# Altium PCB NFC-Reader.PcbDoc (part 3 of 3)
Units mil, origin at the board's own origin, x right, y up, seen from the top; angles counter-clockwise.
Board outline 3750 x 2300 mil, 4 copper layers (L1, L2 (GND), L3(PWR), L4), stack 61.583 mil thick; 132 components, 82 nets, 420 pads, 665 vias.
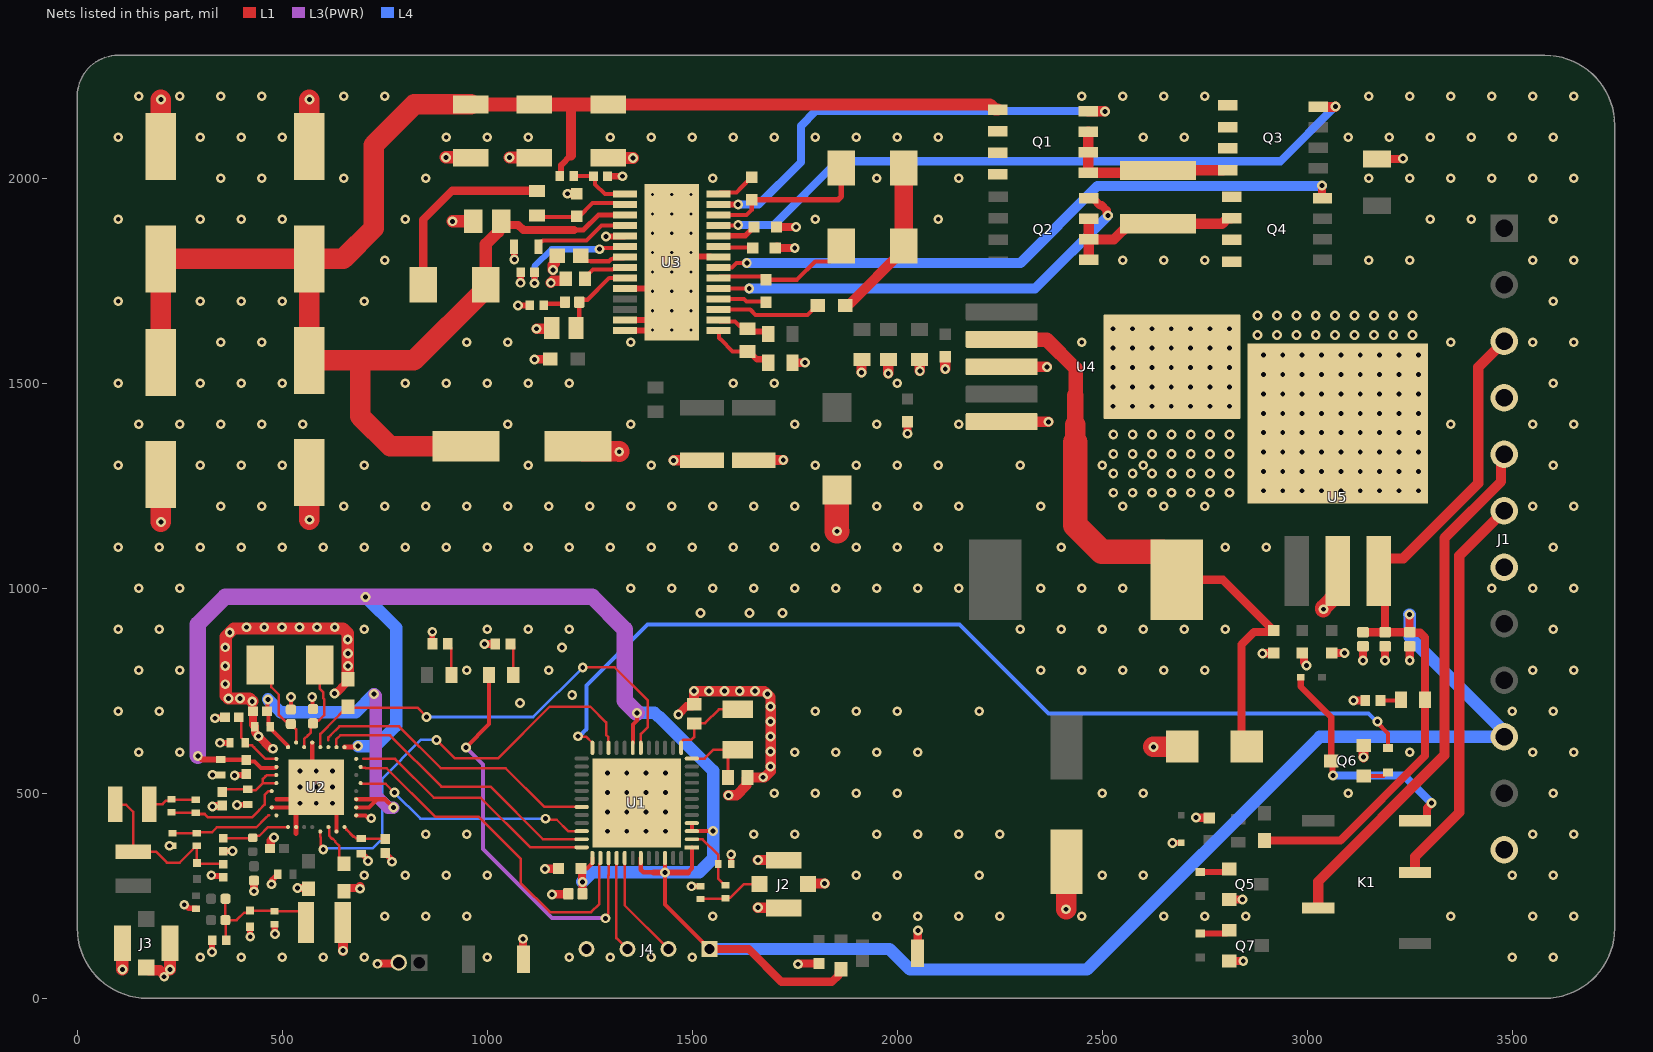
[diagram p5: the nets of this part, all layers, seen from the top]

## Via types
v1: diameter 24, hole 12, L1 to L4, tented both sides, 641 vias
v2: diameter 19.68, hole 7.87, L1 to L4, tented both sides, 24 vias

## Nets (pads, with @x,y where several pads share a name; then routed paths per layer and width w, separated by ;. In a path a pad name is that pad's centre, name@x,y a point inside that pad or via, vN(x,y) a via of type N, cw(c..) or ccw(c..) an arc to the next point about the centre after c; other vN are vias at no path point) (continued)
GND: C1.1 C2.1 C3.1 C4.1 C5.1 C6.1 C7.1 C8.1 C9.1 C10.1 C11.1 C12.1 C13.1 C14.1 C16.1 C18.1 C20.1 C22.1 C23.1 C24.1 C25.1 C26.1 C27.1 C28.1 C29.1 C30.1 C31.1 C32.2 C33.1 C34.1 C35.1 C36.2 C38.1 C39.1 C44.1 C45.2 C48.1 C50.1 C51.1 C52.1 C53.1 C54.1 C55.1 C56.1 C57.1 C58.1 C59.1 C60.1 C61.1 C62.1 C63.1 C64.1 C65.1 C66.1 C67.1 C68.1 C69.1 C70.1 D1.1 D2.1 D3.1 D7.2 D9.2 J1.4 J1.7 J1.12 J2.2 J2.3 J2.4 J3.2 J3.3 J3.4 J4.4 J5.2 L4.1 Q5.2 Q6.2 Q7.2 R5.1 R6.1 R10.1 R11.1 R13.1 R14.1 R15.2 R16.2 R18.1 R19.1 R20.1 R21.1 SW1.1 SW2.2 U1.49 U2.7 U2.10 U2.15 U2.17 U2.29 U2.33 U3.5 U3.10 U3.13 U3.14 U3.22 U3.29 U4.3 U4.5 U4.6 U5.2 U5.4 | length 6224.7
  L1 w10: U2.7@474.34,465.73 U2.33@533.79,465.73 ; 485.56,485.42 533.79,485.42 v1(543.63,475.57) ; C66.1@521,704.03 v1(521,734.53) ; v1(573,735) 574,734 574,706.5 C67.1@575,705.5 ; U2.29@573.16,623.6 U2.33@573.16,564.16 ; v1(583,514.94) v1(583,554.31) ; v1(622.37,475.57) 631.86,466.08 631.86,407.03 U2.15@632.21,406.68 ; U2.17@680.44,446.05 702.95,446.05 v1@717,432 ; U2.33@573.16,564.16 v1(583,554.31) ; U2.33@573.16,564.16 v1(583,554.31)
  L1 w13: 533.65,401.94 533.65,417.29 533.79,417.43 U2.10@533.79,417.5 533.65,417.64 U2.33@533.65,450.17
  L1 w13.7: v1@1065.78,1805.22 v1@1066,1805
  L1 w13.8: v1@2670,379 v1(2671,379) 2671.27,379.27 2692.73,379.27 D9.2@2693,379.54
  L1 w13.9: v1(261,228) 263.73,228 272.08,219.65 288.44,219.65 C53.1@289.37,218.72 ; v1@1498.7,273.3 1520.07,273.3 C39.1@1520.38,273.61 ; v1(1595,351) 1595.11,350.89 1595.11,327.97 C38.1@1595.22,327.86
  L1 w14: v1(330,545) 330.11,544.89 349.6,544.89 C62.1@349.72,544.77 ; v1(390,471) 390.74,471.74 415.45,471.74 C56.1@416.19,472.47 ; U2.33@533.65,450.17 U2.33@533.65,465.59 ; v1(866,894) 866.15,893.85 866.15,865.15 D1.1@866.3,865
  L1 w15: v1(327,300) 329.44,300 331.23,298.21 352.98,298.21 C50.1@355.72,295.47 ; v1(329,113) v1(329,113) 329.04,141.43 R18.1@329.09,141.47 ; v1(336,683) 337.24,684.24 358.94,684.24 C61.1@360.17,685.47 ; v1(348,623) C60.1@372.52,622.98 ; C48.1@355.72,358.72 358.31,358.72 358.45,358.86 378.86,358.86 v1(379,359) ; v1(384,543) 385.72,544.72 409.5,544.72 C63.1@412.17,547.39 ; C45.2@421.02,174.47 421.51,173.98 421.51,150.49 v1(422,150) ; v1(474,278) 475.72,279.72 475.72,288.41 488.83,301.52 C65.1@488.83,302.47 ; C44.1@481.51,180.72 481.76,180.48 481.76,157.24 v1(482,157) ; C58.1@692.29,352.23 695.24,352.23 709.28,338.19 v1(709.28,334.72) ; C59.1@751.09,354.6 751.09,353.76 766.28,338.57 766.28,334.72 v1(768,333) ; R13.1@1065.55,1832.98 1065.78,1832.76 v1@1065.78,1805.22 ; v1(1075,1690) R16.2@1103.57,1690 ; v1(1081,1745) 1081.7,1745.7 R14.1@1081.7,1769.17 ; v1@1290,1855 1292.44,1855 1295.05,1857.62 1334.47,1857.62 U3.5@1335.83,1858.98 ; R11.1@1293.42,2005 v1(1330,2005) ; U3.14@1335.83,1628.66 1401.77,1628.66 v2(1402.76,1629.65) ; U3.13@1335.83,1654.25 1390.57,1654.25 1402.76,1666.44 v2(1402.76,1676.89) ; U3.10@1335.83,1731.02 1395.87,1731.02 v2(1402.76,1724.13) ; U3.29@1450,1795 1464,1809 U3.22@1544,1809
  L1 w20: v1(330,468) 330.77,468.77 352.86,468.77 C57.1@353.7,469.6 ; v1(426.77,724.23) 427.53,723.47 427.53,701.27 C55.1@428.84,700 ; C55.1@428.84,700 428.84,666.84 433.01,662.67 C54.1@433.01,662 ; v1(431,261) 431.07,261.07 431.07,286.9 C52.1@431.14,286.97 ; C54.1@433.62,660.19 433.62,648.55 441.23,640.94 441.23,640.81 v1@442,640.04 ; v1(442,639) 471.67,609.33 476.88,609.33 v1(477.65,608.56) ; C64.1@470.06,364.96 470.42,364.96 471.69,366.23 471.69,384.52 479.17,392 v1(480,392) ; v1@537.38,269.62 538.15,268.85 562.25,268.85 R19.1@564.09,267.01 ; v1(627.5,742.98) 628.58,742.98 631.36,745.76 633.58,745.76 645.3,757.47 645.3,758.5 654.25,767.45 654.25,772.18 R20.1@660,777.93 ; R21.1@650.09,261.01 650.09,262.98 655.84,268.72 684.64,268.72 688.92,273 v1@690,273 ; v1(732,84) 732.77,84.77 781.77,84.77 J5.2@784,87 ; v1(993,864) D2.1@1019.3,864 ; v1(1087,145) 1087.46,144.54 1087.46,95.46 SW2.2@1087.93,95 ; v1(1115,1558) 1115.5,1558.5 1153.04,1558.5 R5.1@1153.54,1559 ; v1(1141,315) 1141.66,315.66 1173.1,315.66 C35.1@1173.77,316.33 ; v1(1158,253) 1158.77,253.77 1196.69,253.77 C34.1@1197.76,254.84 ; v1(1195.77,1962.23) 1216.32,1962.23 C16.1@1218,1960.56 ; v1(1466.03,692.3) 1485.97,712.24 1499.56,712.24 C70.1@1504.33,717.01 ; C20.1@1705.56,1881 v1(1753,1881) ; C14.1@1706.34,1833.59 C14.1@1702.56,1829.81 v1(1750,1829.81) ; R15.2@1744.53,1547 1747.76,1550.23 v1(1775.23,1550.23) ; v1@1758,84 1758.44,84.44 1808.56,84.44 C36.2@1809,84.88 ; v1(2025,1377) C31.1@2025,1406.44 ; SW1.1@2049.43,110.24 2050.23,111.05 2050.23,164.23 v1(2051,165) ; v1(2729,441) 2729.72,440.28 2760.28,440.28 C68.1@2761,439.56 ; Q5.2@2809.63,240.73 2809.76,240.87 2841.87,240.87 v1(2842,241) ; Q7.2@2810.29,91.03 v1(2844,91) ; v1(2891,841) 2891.42,841.42 2917.58,841.42 C25.1@2918,841.84 ; C32.2@2988,841.84 2991.78,838.06 2991.78,819.3 2998,813.08 v1(2998,812) ; C33.1@3060,841.84 3060.08,841.92 3090.92,841.92 v1(3091,842) ; v1(3113,726) D3.1@3141.3,726 ; v1(3135.99,824) C29.1@3135.99,858.33 ; R6.1@3170,2046.89 3230.72,2046.89 3232.28,2048.44 v1(3233.36,2048.44) ; v1(3190.01,824) C28.1@3190,858.33 ; v1(3250.01,824) C27.1@3250,858.33
  L1 w25: J3.3@168.09,75.42 175.28,68.23 201.27,68.23 v1@212,57.5 ; v1(648,116) 648,184.4 L4.1@648.07,184.47 ; v1(1120,1633) 1152.6,1633 C22.1@1157.47,1637.87 ; v1(1155,1745) 1159.78,1749.78 1189.11,1749.78 1191.38,1752.05 C18.1@1191.38,1755 ; v1(1160,1776) 1160,1787.92 1164.64,1792.56 1164.64,1805.48 1170.09,1810.94 C23.1@1171,1810.94 ; v1(1454,1312) 1523.36,1312 C13.1@1523.99,1312.63 ; C70.1@1504.33,717.01 1504,717.33 v1(1504,749) v1(1541.25,749) v1(1578.5,749) v1(1615.75,749) v1(1653,749) 1676.36,749 1691,734.36 v1@1691,711.42 ; v1(1588,495) 1608.12,495 1632.18,519.07 1632.18,536.12 C69.1@1634.45,538.39 1672.39,538.39 v1(1673,539) 1676.36,539 1691.28,553.92 v1@1691.28,711.42 ; C12.1@1649.98,1312.63 1650.35,1313 v1(1722,1313) ; v1(1660,221) 1722.57,221 J2.4@1723.19,220.38 ; v1(1660,337.14) 1722.57,337.14 J2.2@1723.19,336.52 ; J2.3@1782.24,278.45 1783.79,280 v1(1823,280) ; v1(1913,1526) 1913,1557.08 C11.1@1914.08,1558.17 ; v1(1978,1524) 1978,1557.11 C10.1@1979.05,1558.17 ; C9.1@2054,1558.17 2055,1557.17 v1(2055,1530) ; v1(2117,1535) C30.1@2117,1564.44 ; U4.5@2254.65,1406.39 2368.61,1406.39 v1(2369,1406) ; U4.3@2254.65,1540.25 2254.89,1540 v1(2365,1540) ; v1(3137,588) 3137,616.03 Q6.2@3137.37,616.4
  L1 w30: v1(110,70) J3.4@110,134.45 ; v1(226.14,70) J3.2@226.14,134.45 ; v1(368.5,731.5) 362,738 362,882 v1(372,892) 382,902 648,902 660,890 v1(660,841) v1@660,811.08 ; v1@369,731 420,731 v1(426.77,724.23) ; R20.1@660,777.93 v1(660,810) ; v1(899,2051) 959.04,2051 C6.1@960,2050.04 ; v1(915,1895) R10.1@965.55,1895 ; v1(1054.48,2050.52) 1114.52,2050.52 C7.1@1115,2050.04 C7.1@1115.48,2049.56 ; C8.1@1294.52,2050.52 C8.1@1295,2050.04 1295.48,2049.56 v1(1355.52,2049.56)
  L1 w40: v1(3039.37,948.82) 3039.37,952.37 3074,987 U5.2@3074,1042
  L1 w50: C1.1@202.96,2075.9 C1.1@203.96,2076.9 ; v1(203.96,1162) C3.1@203.96,1277 C3.1@204.96,1278 ; v1(203.96,2191.9) C1.1@203.96,2076.9 ; C1.1@216.36,2089.3 C1.1@203.96,2076.9 ; C2.1@565.17,2075.9 C2.1@566.17,2076.9 ; v1(566.17,1167) C5.1@566.17,1282 C5.1@567.17,1283 ; v1(566.17,2191.9) C2.1@566.17,2076.9 ; C2.1@572,2082.73 C2.1@566.17,2076.9 ; C4.1@1221.81,1346 1234.21,1333.6 1321.4,1333.6 v1(1322,1333) ; v1(2412,217) 2412,332.24 C26.1@2413,333.24 ; v1(2625,613) 2694.26,613 D7.2@2695.26,614
  L1 w60: v1@1852.75,1139 v1@1852.75,1139.25 ; C24.1@1852.75,1239.61 v1@1852.75,1139.25 ; v1(1853,1139) v1@1852.75,1139.25
  other v1: 212,52.5 1758,83 300,100 400,100 500,100 600,100 700,100 1000,100 1200,100 1300,100 1400,100 1500,100 3500,100 3600,100 750,200 850,200 950,200 1550,200 1950,200 2050,200 2150,200 2250,200 2450,200 2650,200 2750,200 2850,200 3350,200 3550,200 3650,200 690,267 537.38,268.62 1498,273 700,300 800,300 900,300 1000,300 1900,300 2000,300 2200,300 2500,300 2600,300 3500,300 3600,300 225,372 850,400 950,400 1650,400 1750,400 1950,400 2050,400 2150,400 2250,400 3550,400 3650,400 1293,407.27 1340.24,407.27 1387.49,407.27 1434.73,407.27 717,439 1293,454.51 1340.24,454.51 1387.49,454.51 1434.73,454.51 583,475.57 1700,500 1800,500 1900,500 2000,500 2500,500 2600,500 3100,500 3600,500 1293,501.76 1340.24,501.76 1387.49,501.76 1434.73,501.76 543.63,514.94 622.37,514.94 1293,549 1340.24,549 1387.49,549 1434.73,549 543.63,554.31 622.37,554.31 1690.56,565 150,600 250,600 1750,600 1850,600 1950,600 2050,600 3250,600 3550,600 3650,600 1690.56,601.6 1690.56,638.21 1690.56,674.81 100,700 200,700 1800,700 1900,700 2000,700 2200,700 3500,700 3600,700 1690.56,711.42 1080,720 396.96,731 1207.16,739.36 1683.68,741.68 361,766 150,800 250,800 950,800 1150,800 2350,800 2450,800 2550,800 2650,800 2750,800 3550,800 3650,800 361,810 1182.11,855.29 361,856 659.68,875.27 100,900 200,900 700,900 1000,900 1100,900 1200,900 2300,900 2400,900 2500,900 2600,900 2700,900 2800,900 3600,900 413,904.86 455.99,904.86 498.99,904.86 541.98,904.86 584.98,904.86 627.97,904.86 1520,940 1640,940 1720,940 150,1000 250,1000 1350,1000 1450,1000 1550,1000 1650,1000 1750,1000 1850,1000 1950,1000 2050,1000 2150,1000 2350,1000 2450,1000 2550,1000 3450,1000 3550,1000 3650,1000 100,1100 200,1100 300,1100 400,1100 500,1100 600,1100 700,1100 800,1100 900,1100 1000,1100 1100,1100 1200,1100 1300,1100 1400,1100 1500,1100 1600,1100 1700,1100 1800,1100 1900,1100 2000,1100 2100,1100 2400,1100 2800,1100 2900,1100 3600,1100 350,1200 450,1200 650,1200 750,1200 850,1200 950,1200 1050,1200 1150,1200 1250,1200 1350,1200 1450,1200 1550,1200 1650,1200 1750,1200 1950,1200 2050,1200 2150,1200 2350,1200 2550,1200 2650,1200 2750,1200 3550,1200 3650,1200 2527,1233 2574.24,1233 2621.49,1233 2668.73,1233 2715.98,1233 2763.22,1233 2810.47,1233 2892.99,1237.75 2940.24,1237.75 2987.49,1237.75 3034.72,1237.75 3081.97,1237.75 3129.21,1237.75 3176.46,1237.75 3223.71,1237.75 3270.95,1237.75 2527,1280.24 2574.24,1280.24 2621.49,1280.24 2668.73,1280.24 2715.98,1280.24 2763.22,1280.24 2810.47,1280.24 2892.99,1284.99 2940.24,1284.99 2987.49,1284.99 3034.72,1284.99 3081.97,1284.99 3129.21,1284.99 3176.46,1284.99 3223.71,1284.99 3270.95,1284.99 100,1300 300,1300 400,1300 500,1300 700,1300 1100,1300 1400,1300 1800,1300 1900,1300 2000,1300 2100,1300 2300,1300 2500,1300 2600,1300 3600,1300 2527,1327.49 2574.24,1327.49 2621.49,1327.49 2668.73,1327.49 2715.98,1327.49 2763.22,1327.49 2810.47,1327.49 2892.99,1332.24 2940.24,1332.24 2987.49,1332.24 3034.72,1332.24 3081.97,1332.24 3129.21,1332.24 3176.46,1332.24 3223.71,1332.24 3270.95,1332.24 2527,1374.73 2574.24,1374.73 2621.49,1374.73 2668.73,1374.73 2715.98,1374.73 2763.22,1374.73 2810.47,1374.73 2892.99,1379.48 2940.24,1379.48 2987.49,1379.48 3034.72,1379.48 3081.97,1379.48 3129.21,1379.48 3176.46,1379.48 3223.71,1379.48 3270.95,1379.48 150,1400 250,1400 350,1400 450,1400 550,1400 1050,1400 1350,1400 1750,1400 1950,1400 2150,1400 3350,1400 3550,1400 3650,1400 2892.99,1426.72 2940.24,1426.72 2987.49,1426.72 3034.72,1426.72 3081.97,1426.72 3129.21,1426.72 3176.46,1426.72 3223.71,1426.72 3270.95,1426.72 2526.63,1443.9 2573.87,1443.9 2621.12,1443.9 2668.36,1443.9 2715.61,1443.9 2762.85,1443.9 2810.1,1443.9 2892.99,1473.97 2940.24,1473.97 2987.49,1473.97 3034.72,1473.97 3081.97,1473.97 3129.21,1473.97 3176.46,1473.97 3223.71,1473.97 3270.95,1473.97 2526.63,1491.14 2573.87,1491.14 2621.12,1491.14 2668.36,1491.14 2715.61,1491.14 2762.85,1491.14 2810.1,1491.14 100,1500 300,1500 400,1500 500,1500 800,1500 900,1500 1000,1500 1100,1500 1200,1500 1600,1500 1700,1500 2000,1500 3600,1500 2892.99,1521.21 2940.24,1521.21 2987.49,1521.21 3034.72,1521.21 3081.97,1521.21 3129.21,1521.21 3176.46,1521.21 3223.71,1521.21 3270.95,1521.21 2526.63,1538.39 2573.87,1538.39 2621.12,1538.39 2668.36,1538.39 2715.61,1538.39 2762.85,1538.39 2810.1,1538.39 2892.99,1568.46 2940.24,1568.46 2987.49,1568.46 3034.72,1568.46 3081.97,1568.46 3129.21,1568.46 3176.46,1568.46 3223.71,1568.46 3270.95,1568.46 2526.63,1585.63 2573.87,1585.63 2621.12,1585.63 2668.36,1585.63 2715.61,1585.63 2762.85,1585.63 2810.1,1585.63 350,1600 450,1600 950,1600 1050,1600 1350,1600 2450,1600 3350,1600 3550,1600 3650,1600 2879,1617.76 2926.24,1617.76 2973.49,1617.76 3020.73,1617.76 3067.98,1617.76 3115.22,1617.76 3162.47,1617.76 3209.71,1617.76 3256.96,1617.76 2526.63,1632.87 2573.87,1632.87 2621.12,1632.87 2668.36,1632.87 2715.61,1632.87 2762.85,1632.87 2810.1,1632.87 2879,1665 2926.24,1665 2973.49,1665 3020.73,1665 3067.98,1665 3115.22,1665 3162.47,1665 3209.71,1665 3256.96,1665 100,1700 300,1700 400,1700 500,1700 700,1700 3600,1700 750,1800 2550,1800 2650,1800 2750,1800 3150,1800 3250,1800 3550,1800 3650,1800 1066,1802 1290,1858 100,1900 300,1900 400,1900 500,1900 800,1900 1800,1900 2100,1900 3300,1900 3400,1900 3600,1900 350,2000 450,2000 650,2000 850,2000 1550,2000 1950,2000 2150,2000 3150,2000 3250,2000 3350,2000 3450,2000 3550,2000 3650,2000 100,2100 300,2100 400,2100 500,2100 900,2100 1000,2100 1100,2100 1300,2100 1400,2100 1500,2100 1600,2100 1700,2100 1800,2100 1900,2100 2000,2100 2100,2100 2600,2100 2700,2100 3100,2100 3200,2100 3300,2100 3400,2100 3500,2100 3600,2100 150,2200 250,2200 350,2200 450,2200 650,2200 750,2200 2450,2200 2550,2200 2650,2200 2750,2200 3150,2200 3250,2200 3350,2200 3450,2200 3550,2200 3650,2200
  other v2: 1450,1629.65 1497.24,1629.65 1450,1676.89 1497.24,1676.89 1450,1724.13 1497.24,1724.13 1402.76,1771.38 1450,1771.38 1497.24,1771.38 1402.76,1818.62 1450,1818.62 1497.24,1818.62 1402.76,1865.87 1450,1865.87 1497.24,1865.87 1402.76,1913.11 1450,1913.11 1497.24,1913.11 1402.76,1960.35 1450,1960.35 1497.24,1960.35
HDRV1: Q1.4 U3.27 | length 1131.1
  L1 w15: U3.27@1564.17,1935.75 1564.3,1935.87 1611.87,1935.87 v1(1612,1936)
  L1 w25: Q1.4@2466,2163.5 2506.5,2163.5 v1(2507,2163)
  L4 w20: v1(1612,1936) 1620.55,1936 1662,1936 1765,2039 1765,2128 1801,2164 2503.17,2164 2503.41,2163.77 2506.23,2163.77 v1(2507,2163)
HDRV2: Q2.4 U3.19 | length 1093.4
  L1 w10: U3.19@1564.17,1731.02 v1(1638.98,1731.02)
  L1 w20: Q2.4@2467.22,1950.89 2478.05,1950.89 2494.98,1933.95 2498.86,1933.95 2510.84,1921.97 2510.84,1913.24 2514,1910.08 v1(2514,1909)
  L4 w25: v1(1638.98,1731.02) 2336.02,1731.02 v1(2514,1909)
LDRV1: Q3.4 U3.25 | length 1659.3
  L1 w10: U3.25@1564.17,1884.57 1603.57,1884.57 v1@1604,1885
  L1 w25: Q3.4@3027.22,2174 3068,2174 v1(3069,2175)
  L4 w20: v1(1612,1886) 1699,1886 1854.5,2041.5 2934.5,2041.5 v1@3069,2176
LDRV2: Q4.4 U3.21 | length 1585.9
  L1 w10: U3.21@1564.17,1782.2 1597.24,1782.2 1608.07,1793.03 v1(1633.03,1793.03) ; Q4.4@3036,1952.11 Q4.4@3037.22,1950.89
  L1 w20: Q4.4@3036,1952.11 v1(3036,1982)
  L4 w25: v1(1633.03,1793.03) 2300.03,1793.03 2488.36,1981.36 v1@3036,1981.36
LNA_IN: C37.2 C38.2 U1.2 | length 163.1
  L1 w6.16: U1.2@1499.05,387.83 1499.27,387.6 1525.4,387.6 1563.73,349.27 C38.2@1563.73,327.86 1563.73,291.1 1579.47,275.36 C37.2@1581.44,275.36
MOD: R21.2 U2.14 | length 106.1
  L1 w6.16: U2.14@612.53,417.5 614.7,415.33 614.7,395.8 620.5,390 621.73,388.77 623.4,388.77 629.26,382.91 629.26,381.24 639.35,371.15 639.35,338.69 R21.2@650.09,327.94
MOTOR_COM: J1.5 K1.3 | length 1294.6
  L1 w25: K1.3@3026.65,220.01 3026.65,284.7 3334.65,592.69 3334.65,1122.29 3472.86,1260.5 3472.86,1319.15 J1.5@3480.4,1326.69
MOTOR_SUPPLY: J1.6 K1.7 | length 972.4
  L1 w25: K1.7@3262.87,306.62 3262.87,344.87 3371,453 3371,1079.49 J1.6@3480.4,1188.9
NetC14_2: C14.2 U3.23 | length 84.7
  L1 w10: U3.23@1564.17,1833.39 1565.96,1831.6 1620.55,1831.6 1645.65,1831.6 C14.2@1647.44,1829.81
NetC15_2: C15.2 D5.1 U3.26 | length 402.2
  L1 w10: U3.26@1564.17,1910.16 1620.55,1910.16 1632.16,1910.16 1645,1923 C15.2@1645,1947.44
  L1 w13.7: C15.2@1645,1947.44 1855.72,1947.44 1863.75,1955.47 D5.1@1863.75,2025
NetC16_2: C16.2 R7.1 U3.2 | length 234.2
  L1 w10: R7.1@1121,1909.47 1125,1905.47 1216.03,1905.47 C16.2@1218,1907.44 1220.5,1904.94 1222.5,1904.94 1257.02,1939.46 1299.24,1939.46 1332.12,1939.46 U3.2@1335.83,1935.75
NetC17_2: C17.2 D6.1 U3.20 | length 348
  L1 w10: U3.20@1564.17,1756.61 1567.91,1760.35 1671.22,1760.35 1672.07,1759.51 1672.07,1752.56 C17.2@1680,1752.56 1755.56,1752.56 1800,1797 1835,1797 1863.75,1825.75 D6.1@1863.75,1835
NetC18_2: C18.2 U3.8 | length 110.2
  L1 w10: C18.2@1238.62,1755 1238.62,1757.95 1258.14,1777.47 1299.24,1777.47 1305.44,1777.47 1306.32,1778.35 1331.97,1778.35 U3.8@1335.83,1782.2
NetC19_1: C19.1 R12.2 U3.16 | length 138
  L1 w10: U3.16@1564.17,1654.25 1568.03,1650.39 1604.75,1650.39 1615.51,1639.63 1630.43,1639.63 C19.1@1637.5,1632.56
  L1 w15: C19.1@1635,1632.56 1641.28,1626.28 1679.19,1626.28 R12.2@1685.47,1620
NetC19_2: C19.2 R15.1 U3.15 | length 164.6
  L1 w10: U3.15@1564.17,1628.66 1565.34,1627.5 1565.34,1610.66 1569.62,1606.38 1598.56,1577.44 C19.2@1635,1577.44
  L1 w15: C19.2@1635,1577.44 1639.13,1577.44 1657.89,1558.69 1678.21,1558.69 1685.47,1551.42 R15.1@1685.47,1550
NetC20_2: C20.2 U3.24 | length 95.4
  L1 w13.7: U3.24@1564.17,1858.98 1565.35,1860.15 1620.55,1860.15 1629.59,1860.15 C20.2@1650.44,1881
NetC21_1: C21.1 R16.1 | length 55.4
  L1 w10: R16.1@1137.59,1690 1141.59,1694 1185.72,1694 C21.1@1189.72,1698
NetC21_2: C21.2 C22.2 U3.9 | length 202.2
  L1 w10: C22.2@1216.53,1634.87 1224.28,1642.63 1224.28,1694.29 C21.2@1224.28,1698 1230,1703.71 1244.71,1703.71 1297.49,1756.49 1299.24,1756.49 1335.7,1756.49 U3.9@1335.83,1756.61
NetC23_2: C23.2 U3.7 | length 117.4
  L1 w10: C23.2@1228.24,1810.94 1241.2,1797.98 1252.45,1797.98 1252.96,1797.47 1296.88,1797.47 1302.47,1803.06 1305.44,1803.06 1306.32,1803.94 1331.97,1803.94 U3.7@1335.83,1807.8
NetC25_2: C25.2 D7.1 L2.1 U4.2 | length 1549.2
  L1 w20: L2.1@2681.88,1020.63 2794.33,1020.63 C25.2@2918,896.96 2914.22,893.18 2870.18,893.18 2840,863 2840,626.74 D7.1@2852.74,614
  L1 w30: U4.2@2254.65,1607.18 U4.2@2255.41,1606.42 ; 2434,1471 2435,1472
  L1 w35: U4.2@2255.41,1606.42 2364.58,1606.42 2435,1536 2435,1472
  L1 w40: 2434,1399 2434,1471
  L1 w50: 2434,1356 2434,1399
  L1 w60: 2434,1356 2434,1154 2498.94,1089.06 2647.91,1089.06 2681.88,1055.08 L2.1@2681.88,1020.63
NetC37_1: C37.1 C39.2 J2.1 | length 160.2
  L1 w6.16: C39.2@1520.38,242.11 1521.38,242.11 1522.38,242.11 1577.73,242.11 C37.1@1580.5,244.88 ; C37.1@1581.44,243.86 C37.1@1581.44,243.86 C37.1@1580.5,244.88 ; J2.1@1664.13,278.45 1626.09,278.45 1592.52,244.88 C37.1@1580.5,244.88
NetC40_1: C40.1 C44.2 C45.1 C46.1 L4.2 R18.2 | length 327.5
  L1 w6.16: C40.1@361.38,242.47 C46.1@361.38,190.56 ; R18.2@363.1,141.47 362.24,142.34 362.24,189.69 C46.1@361.38,190.56 ; L4.2@557.91,184.47 557.91,197.14 542.83,212.22 C44.2@481.51,212.22 480.7,213.03 421.83,213.03 C45.1@421.02,213.84 416.18,209 407.35,209 388.88,190.53 C46.1@361.4,190.53
NetC42_2: C42.2 C47.2 C50.2 L3.1 L5.2 | length 437
  L1 w6.16: L3.1@92.67,473.47 94.67,471.47 119.53,471.47 136.09,454.91 L5.2@136.09,356.95 192.85,356.95 218.8,331 249.9,331 288.96,370.06 291.78,370.06 C42.2@291.78,329.84 293.22,328.41 354.28,328.41 C50.2@355.72,326.97
NetC43_1: C43.1 C49.1 L3.2 | length 118.9
  L1 w6.16: L3.2@175.35,473.47 208.06,473.47 216.68,482.09 227.03,482.09 C49.1@229.9,484.97 230.9,484.97 231.51,484.36 288.39,484.36 C43.1@289,483.75
NetC56_2: C56.2 C57.2 U2.3 U2.4 | length 179
  L1 w6.16: C57.2@353.7,503.35 353.7,503.6 359.97,509.87 C56.2@416.19,509.87 ; C56.2@425.87,507.84 435.84,507.84 452.79,524.79 ; U2.4@485.56,524.79 452.79,524.79 ; U2.3@485.56,544.47 462.26,544.47 459,541.21 452.79,535 452.79,524.79
NetC58_2: C58.2 C59.2 U2.16 | length 139.2
  L1 w6.16: U2.16@651.9,417.5 651.95,417.5 656.06,413.4 ; 674.29,394.49 674.29,395.17 656.06,413.4 ; C59.2@751.09,388.35 750.45,388.99 692.93,388.99 691.92,390 688.92,390 679.96,390 676.04,393.93 673.04,393.93 656.06,410.9 656.06,413.4
NetC60_2: C60.2 C61.2 U2.1 | length 162.6
  L1 w6.16: C61.2@393.92,685.47 394.19,685.47 400.46,679.2 400.46,635.67 400.46,635.4 409.92,625.93 C60.2@409.92,622.98 409.92,620.45 413.78,616.59 426.23,616.59 430.82,612 431.16,612 459.31,583.84 U2.1@485.56,583.84
NetD1_2: D1.2 R1.2 | length 80.7
  L1 w6.16: D1.2@903.7,865 903.7,863.03 912.53,854.2 R1.2@912.53,788
NetD2_2: D2.2 R2.2 | length 78.8
  L1 w6.16: R2.2@1063.53,788 D2.2@1063.53,855.2
  L1 w10: D2.2@1056.7,864 1056.7,862.03 D2.2@1063.53,855.2
NetD3_2: D3.2 R3.1 | length 50.6
  L1 w10: D3.2@3178.7,726 3226.4,726 R3.1@3228.43,728.03
NetD4_1: D4.1 R7.2 | length 465.7
  L1 w20: D4.1@843.75,1740 843.75,1898.75 914.53,1969.53 1120,1969.53 R7.2@1121,1968.53
NetD8_2: D8.2 K1.8 Q6.3 | length 615.1
  L1 w15: D8.2@2984.02,782.59 2984.02,759.98 3058.63,685.37 Q6.3@3058.63,579 3061.28,576.35 3061.28,544.72 v1(3063,543)
  L1 w20: K1.8@3262.87,432.61 3288.46,432.61 3292.24,436.39 3292.24,464.16 3303,474.92 v1(3303,476)
  L4 w20: v1(3063,543) 3236,543 v1(3303,476)
NetL1_1: L1.1 Q1.1 Q1.2 Q1.3 Q3.5 Q3.6 Q3.7 Q3.8 | length 451.1
  L1 w25: Q1.3@2466,2113.5 Q1.3@2467.5,2112 ; Q1.3@2474.5,2112 2467.3,2112 2466,2110.7 Q1.2@2466,2063.5 Q1.1@2466,2013.5 2630.18,2013.5 L1.1@2636,2019.32 2794.49,2019.32 2795.17,2020 Q3.8@2806,2020
NetL1_2: L1.2 Q2.1 Q2.2 Q2.3 Q4.5 Q4.6 Q4.7 Q4.8 | length 398.6
  L1 w25: Q2.1@2467.22,1800.89 Q2.2@2467.22,1850.89 ; Q2.3@2467.22,1900.89 Q2.2@2467.22,1850.89 ; L1.2@2566.71,1889 2528.6,1850.89 Q2.2@2467.22,1850.89 ; L1.2@2636,1889 2792.28,1889 2805.17,1901.89 Q4.6@2813.95,1901.89
NetQ5_1: Q5.1 R22.1 | length 73.8
  L1 w10: Q5.1@2802.09,307.99 Q5.1@2809.63,315.53
  L1 w15: R22.1@2739,307.99 Q5.1@2802.09,307.99
NetQ6_1: Q6.1 R23.1 | length 63.5
  L1 w10: Q6.1@3137.37,541.6 3185.69,541.6 3195.03,550.94 R23.1@3197,550.94
NetQ7_1: Q7.1 R24.1 | length 74.5
  L1 w15: R24.1@2739,157.99 2802.39,157.99 Q7.1@2810.26,165.87
NetR8_1: R8.1 R11.2 U3.1 | length 152.7
  L1 w10: R8.1@1210.96,2005.44 1211.18,2005.22 1259.18,2005.22 1263.06,2001.34 1263.06,1985.01 1286.73,1961.34 1299.24,1961.34 U3.1@1335.83,1961.34
NetR9_2: R9.2 U3.17 | length 257.5
  L1 w10: U3.17@1564.17,1679.84 1584.17,1679.84 1604.17,1679.84 1641.5,1679.84 1654.68,1666.66 1781.23,1666.66 1804.57,1690 R9.2@1806.54,1690
NetR13_2: R13.2 U3.4 | length 237.6
  L1 w10: R13.2@1124.61,1832.98 1124.61,1840.86 1129.45,1845.7 1133.01,1845.7 1135.31,1848 1241.82,1848 1278.82,1885 1299.24,1885 1335.39,1885 U3.4@1335.83,1884.57
NetR14_2: R14.2 U3.6 | length 312.7
  L1 w10: v1(1274,1827) 1276.68,1829.68 1332.12,1829.68 U3.6@1335.83,1833.39
  L1 w15: v1@1115,1742 v1@1115.2,1742.2 ; v1@1115.2,1744.2 R14.2@1115.2,1772.45 ; R14.2@1115.2,1770.45 R14.2@1115.41,1770.65
  L4 w15: v1@1115,1742 1115,1785 1157,1827 v1(1274,1827)
  other v1: 1115,1744
NFC_ENABLE: R20.2 U1.18 U2.28 | length 1076.2
  L1 w6.16: U2.28@592.84,612.38 592.84,642 592.84,644.93 630.92,683 646.2,698.28 649.25,698.28 R20.2@660,709.03 ; R20.2@660,711 R20.2@660,709.03 ; v1(852,686) 852,686.64 829.61,709.03 R20.2@660,709.03 ; v1(1233,807) 1311,807 1392,726 1392,662 1374.5,644.5 U1.18@1374.5,610.8
  L4 w6.16: v1(852,686) 1112,686 v1(1233,807)
OSC_IN_ESP32: C69.2 U1.12 Y2.1 | length 191
  L1 w6.16: U1.12@1499.05,584.68 1530,584.68 1551.1,605.78 Y2.1@1603.86,605.78 ; C69.2@1587.2,538.39 1587.2,589.52 Y2.1@1591.47,593.79 ; Y2.1@1594.81,597.13 1603.86,606.17 Y2.1@1611.33,606.17
OSC_IN_NFC: C66.2 U2.31 Y1.1 | length 230.1
  L1 w6.16: Y1.1@446.17,813 473.64,785.53 473.64,758.55 492,740.18 492,690.48 506.72,675.76 514.28,675.76 C66.2@521,669.03 521,668.45 533.79,655.67 U2.31@533.79,623.6
OSC_OUT_ESP32: C70.2 U1.13 Y2.2 | length 205.8
  L1 w6.16: U1.13@1472.93,610.8 1472.93,624.85 1478.78,630.7 1498,630.7 1504.33,637.03 1504.33,665 C70.2@1504.33,669.76 ; C70.2@1502.67,671.06 1531.18,671.06 1564.73,704.6 Y2.2@1611.33,704.6
OSC_OUT_NFC: C67.2 U2.30 Y1.2 | length 230.1
  L1 w6.16: U2.30@553.47,612.38 553.47,631.91 562.68,641.12 562.98,641.12 569.72,647.86 569.72,665.22 C67.2@575,670.5 581.73,677.23 587.59,677.23 588.36,678 590.05,678 602.5,690.45 602.5,729.79 600.5,731.79 600.5,745.68 591.59,754.59 591.59,812.76 Y1.2@591.83,813
RED_LED: R2.1 U1.39 | length 983.1
  L1 w6.16: v1(1288.13,195) 1288.13,198.79 1295.13,205.79 1295.13,300 1295.76,300.63 U1.39@1295.76,342.02
  L1 w10: v1(948,612) 1004.47,668.47 R2.1@1004.47,788
  L3(PWR) w10: v1(948,612) 990,570 990,364 1157.97,196.03 1287.11,196.03 v1(1288.13,195)
RELAY: R23.2 U1.24 | length 2340.6
  L1 w6.16: v1(1221,639) 1222.63,637.37 1242.02,637.37 U1.24@1256.16,623.22
  L1 w10: v1@3169.5,673.72 3197,646.22 R23.2@3197,610
  L4 w10: v1(1221,639) 1224.79,639 1242,656.21 1242,763.15 1390.85,912 2151.62,912 2368.62,695 3149.14,695 3168.93,675.22 v1(3171,675.22)
RF_IRQ: U1.22 U2.13 | length 1070
  L1 w6.16: U2.13@592.84,406.68 592.84,393.95 594.32,392.47 594.32,368.68 v1@597,366 ; v1(876,630) 921,585 1026,585 1152,711 1251.61,711 1289.68,672.93 1289.68,642.53 1295.53,636.68 1295.53,611.02 U1.22@1295.76,610.8
  L4 w6.16: v1@609,366 720.86,366 744,389.14 744,536.42 837.58,630 v1(876,630)
  other v1: 600,363
RF_MISO: U1.38 U2.23 | length 884.8
  L1 w6.16: U2.23@691.27,564.16 U2.23@691.27,564.16 693.44,562.04 702.14,562.04 703.18,561 754.72,561 872.72,443 979,443 1081.29,340.71 1081.29,281.52 1152.82,210 1253.17,210 1273.39,230.22 1273.39,293 1273.39,327.14 1276.08,329.82 U1.38@1276.08,342.02
RF_MOSI: U1.36 U2.24 | length 622.7
  L1 w6.16: 697.17,583.9 714,583.9 775.1,583.9 870,489 983.87,489 1105.04,367.83 1203,367.83 1203.09,367.92 1230.05,367.92 U1.36@1230.27,368.14
RF_SPI_CLK: U1.35 U2.26 | length 726.4
  L1 w6.16: U2.26@632.21,612.38 632.21,631.91 641.42,641.12 659.94,641.12 660,641.17 714,641.17 762.83,641.17 888,516 1007.5,516 1135.68,387.83 U1.35@1230.27,387.83
RF_SS: U1.34 U2.21 | length 587.6
  L1 w6.16: U2.21@691.27,524.79 693.44,522.61 752.39,522.61 v1@774,501 ; v1(1142,438) 1144.68,435.32 1169.51,435.32 1197,407.83 1197.32,407.51 U1.34@1230.27,407.51
  L4 w6.16: v1@774,501 837,438 v1(1142,438)
  other v1: 774,502
RX_IN1: C47.1 C51.2 U2.8 | length 255.7
  L1 w6.16: C51.2@232.09,402.97 233.09,402.97 234.09,402.97 235.09,402.97 236.09,402.97 237.09,402.97 237.59,402.47 C47.1@290.87,402.47 ; C47.1@291.37,401.97 C47.1@290.87,402.47 ; 468.83,446.05 465.82,446.05 459,439.22 436.81,417.03 340.84,417.03 328.65,404.84 293.24,404.84 C47.1@290.87,402.47
RX_IN2: C41.2 C48.2 U2.9 | length 169.7
  L1 w6.16: C48.2@355.72,390.22 426.71,390.22 432.31,395.82 443.82,395.82 444.31,396.31 465.5,417.5 U2.9@514.1,417.5
RXD: J4.3 U1.40 | length 233.3
  L1 w6.16: U1.40@1315.45,342.02 1315.45,324.31 1315.13,324 1315.13,300 1315.13,146.87 J4.3@1342,120
SW1: C15.1 U3.28 | length 97.9
  L1 w10: U3.28@1564.17,1961.34 1568.03,1965.2 1607.64,1965.2 1620.55,1978.11 C15.1@1645,2002.56
SW2: C17.1 U3.18 | length 119.1
  L1 w10: U3.18@1564.17,1705.43 1626.38,1705.43 1631.97,1699.84 1677.6,1699.84 C17.1@1680,1697.44
SYS_CLK: U1.31 U2.27 | length 717.4
  L1 w6.16: 612.53,629.12 612.53,636.33 618.2,642 639.2,663 785,663 887,561 1044.82,561 1139.25,466.57 U1.31@1230.27,466.57
TX_OUT: C43.2 C49.2 U2.5 | length 291.5
  L1 w6.16: C49.2@229.9,453.47 230.9,453.47 231.51,452.86 C43.2@288.39,452.86 ; C43.2@289,452.25 C43.2@288.39,452.86 ; U2.5@474.34,505.1 466.03,505.1 456.83,495.9 456.83,472.23 444.31,459.71 444.31,458.71 426.6,441 318.82,441 310.44,449.38 291.87,449.38 C43.2@288.39,452.86
TXD: J4.2 U1.41 | length 266.3
  L1 w6.16: U1.41@1335.13,342.02 1335.13,324 1335.13,300 1335.13,226.87 J4.2@1442,120
VCC: D5.2 D6.2 R9.1 | length 398.3
  L1 w25: R9.1@1873.46,1690 1876.71,1693.25 1883.75,1693.25 2016.25,1825.75 D6.2@2016.25,1835
  L1 w45: D6.2@2016.25,1835 D5.2@2016.25,2025
VDD: C27.2 C28.2 C29.2 C34.2 C35.2 C62.2 C63.2 J1.3 J1.10 J4.1 R3.2 R17.2 R25.2 U1.1 U1.3 U1.4 U1.19 U1.37 U1.43 U1.46 U2.2 U2.25 U5.3 | length 8663.6
  L1 w10: C62.2@349.72,582.17 350.72,582.17 352.72,582.17 353.23,581.66 411.66,581.66 C63.2@412.17,581.14 416.29,577.03 432.75,577.03 447.79,561.98 483.39,561.98 U2.2@485.56,564.16 ; C35.2@1228.88,316.33 1242.89,316.33 1256.39,329.82 U1.37@1256.39,342.02 ; U1.19@1355.04,623.22 1355.04,648.34 1355.13,648.43 1355.13,668.13 1364.91,677.91 1364.91,695.91 v1(1365,696) ; 1374.5,324 U1.43@1374.5,342.02 ; U1.46@1433.56,342.02 v1(1433.56,307) 1433.56,228.44 J4.1@1542,120 ; 1489,307 1499.05,317.05 U1.1@1499.05,368.14 ; U1.4@1499.05,427.2 U1.3@1499.05,407.51 1499.27,407.74 1523.74,407.74 1524,408 v1(1551,408)
  L1 w11: 1374.5,324 1374.5,313.44 1380.95,307 1406,307
  L1 w12: U2.25@651.9,612.38 673.9,612.38 674.22,612.7 682.7,612.7 v1(685,615)
  L1 w15: v1(294,591) 296.44,591 305.26,582.17 C62.2@349.72,582.17 ; 1406,307 v1(1433.56,307) 1489,307
  L1 w20: C35.2@1228.88,316.33 1231.23,313.98 1231.23,293 1231.23,284.68 v1(1232,283.92) 1231.94,283.98 1232.16,283.75 1232.16,255 C34.2@1232.33,254.84 ; J4.1@1542,120 1637.82,120 1717.82,40 1840.25,40 1857.4,57.14 1857.4,64.79 R17.2@1863.14,70.54 ; R25.2@2896.19,384.77 3080.77,384.77 3287.48,591.49 R3.2@3287.48,728.03 3287.48,879.59 3275.76,891.31 3251.59,891.31 C27.2@3250,892.9 ; C29.2@3135.99,892.9 C28.2@3190,892.9 ; U5.3@3174,1042 3190,1026 C28.2@3190,892.9 ; v1(3249,936) 3249.5,935.5 3249.5,893.4 C27.2@3250,892.9 ; C28.2@3190,892.9 C27.2@3250,892.9
  L1 w25: U5.3@3174,1042 3174,1055.36 3191.5,1072.86 3234.1,1072.86 3417.32,1256.08 3417.32,1539.2 J1.3@3480.4,1602.28
  L3(PWR) w40: v1(294,591) 294,912 361,979 v1(703,979) 1256,979 1335,900 1335,726 v1(1365,696)
  L4 w30: v1(685,615) 714,615 728,615 778,665 778,904 v1(703,979) ; v1(1232,283.92) 1255.08,307 v1@1432.47,307 ; v1(1365,696) 1408,696 1417,687 1419,687 1551,555 1551,341 1530,320 1517,307 v1@1434.64,307 ; J4.1@1542,120 1981.32,120 2031.32,70 2463.02,70 3030.74,637.72 J1.10@3480.4,637.72 3480.4,650.42 3461.97,668.85 3461.97,669.03 3249.77,881.23 3249.77,935.23 v1(3249,936)
VDDX: C54.2 C55.2 U2.18 U2.19 U2.32 | length 925
  L1 w10: v1(465,729) 463.79,727.79 463.79,701.21 C55.2@462.59,700 468.86,693.73 466.56,693.73 466.56,665.86 C54.2@470.41,662 470.41,659.05 514.1,615.36 U2.32@514.1,612.38 ; U2.18@680.44,465.73 711.73,465.73 729.9,483.9 ; 712.5,485.42 U2.19@680.44,485.42 750.58,485.42 v1(771,465)
  L3(PWR) w30: v1(724,742) 728.38,737.62 728.38,494.3 757.67,465 v1(771,465)
  L4 w30: v1(465,729) 496.47,697.53 679.53,697.53 v1(724,742)
VIN: C1.2 C2.2 C3.2 C4.2 C5.2 C6.2 C7.2 C8.2 D4.2 Q1.5 Q1.6 Q1.7 Q1.8 R8.2 R10.2 U3.3 | length 4435.6
  L1 w12: 1211.34,1873.66 1234.41,1873.66 1270.75,1910 U3.3@1331.3,1910
  L1 w15: R8.2@1176.94,2005.44 1180.07,2008.57 1180.07,2031.6 1204,2055.53
  L1 w20: R10.2@1034.45,1895 1043.16,1886.29 1075.37,1886.29 1088,1873.66 1211.34,1873.66
  L1 w25: 1204,2055.53 1204,2179.96
  L1 w30: D4.2@996.25,1730.75 D4.2@996.25,1740 996.25,1839.16 1026.81,1869.72 1026.81,1887.36 R10.2@1034.45,1895 ; C8.2@1295,2179.96 2225.9,2179.96 2238.36,2167.5 Q1.5@2244.78,2167.5
  L1 w35: C6.2@960,2179.96 C7.2@1115,2179.96 1204,2179.96 C8.2@1295,2179.96
  L1 w50: C3.2@203.96,1550.5 C3.2@203.96,1550.62 C1.2@203.96,1803.28 C2.2@566.17,1803.28 ; C4.2@948.19,1346 763,1346 690,1419 690,1555.62 ; C6.2@960,2179.96 821.96,2179.96 723,2081 723,1878 649.28,1804.28 567.18,1804.28 C2.2@566.17,1803.28 ; D4.2@996.25,1730.75 821.12,1555.62 690,1555.62 ; C2.2@566.17,1803.28 C5.2@566.17,1555.62 690,1555.62
pads on no net: K1.5 U1.5 U1.6 U1.7 U1.8 U1.10 U1.11 U1.14 U1.15 U1.16 U1.25 U1.26 U1.27 U1.28 U1.29 U1.30 U1.32 U1.33 U1.44 U1.45 U1.47 U1.48 U2.20 U2.22

## Polygon pours and split planes (outlines as drawn)
GND on L1 "NONET_L02_P-001" (solid, remove dead copper, pour order 8): 2036,1032 cw(c2036,974) 2094,974 2094,94 2149,94 2149,0 104,0 17,87 17,932 cw(c117,932) 117,1032 182,1032
GND on L1 "NONET_L02_P-001" (solid, remove dead copper, pour order 9): 2073.28,1069.41 cw(c2073.28,1010.41) 2132.28,1010.41 2127.72,95.59 2092.72,95.59 2092.72,14.48 2162,14.48 3750,14.48 3750,2300 16,2300 16,1138.13 ccw(c84.88,1138.13) 84.88,1069.25 2067.72,1069.25
GND on L4 "GND_L04_P010" (solid, remove dead copper, pour order 10): 0,170.71 0,2200 cw(c100,2200) 100,2300 3579.29,2300 cw(c3579.29,2129.29) 3750,2129.29 3750,170.71 cw(c3579.29,170.71) 3579.29,0 170.71,0 cw(c170.71,170.71)
GND on L3(PWR) "GND_L03_P011" (solid, remove dead copper, pour order 11): 0,170.71 0,2200 cw(c100,2200) 100,2300 3579.29,2300 cw(c3579.29,2129.29) 3750,2129.29 3750,170.71 cw(c3579.29,170.71) 3579.29,0 170.71,0 cw(c170.71,170.71)
GND on L2 (GND) (split plane): 3590.04,2279.61 3600.74,2278.46 3611.32,2276.55 3621.75,2273.89 3631.96,2270.49 3641.9,2266.38 3651.52,2261.56 3660.77,2256.07 3669.6,2249.94 3677.98,2243.19 3685.86,2235.86 3693.19,2227.98 3699.94,2219.6 3706.07,2210.77 3711.56,2201.52 3716.38,2191.9 3720.49,2181.96 3723.89,2171.75 3726.55,2161.32 3728.46,2150.74 3729.61,2140.04 3729.97,2129.98 3729.9,2129.29 3729.9,170.71 3729.97,170.02 3729.61,159.96 3728.46,149.26 3726.55,138.68 3723.89,128.25 3720.49,118.04 3716.38,108.1 3711.56,98.48 3706.07,89.23 3699.94,80.4 3693.19,72.02 3685.86,64.14 3677.98,56.81 3669.6,50.06 3660.77,43.93 3651.52,38.44 3641.9,33.62 3631.96,29.51 3621.75,26.11 3611.32,23.45 3600.74,21.54 3590.04,20.39 3579.98,20.03 3579.29,20.1 170.71,20.1 170.02,20.03 159.96,20.39 149.26,21.54 138.68,23.45 128.25,26.11 118.04,29.51 108.1,33.62 98.48,38.44 89.23,43.93 80.4,50.06 72.02,56.81 64.14,64.14 56.81,72.02 50.06,80.4 43.93,89.23 38.44,98.48 33.62,108.1 29.51,118.04 26.11,128.25 23.45,138.68 21.54,149.26 20.39,159.96 20.03,170.02 20.1,170.71 20.1,2200 20.03,2200.63 20.39,2207.84 21.54,2215.61 23.45,2223.22 26.09,2230.61 29.45,2237.71 33.49,2244.44 38.16,2250.75 43.43,2256.57 49.25,2261.84 55.56,2266.51 62.29,2270.55 69.39,2273.91 76.78,2276.55 84.39,2278.46 92.16,2279.61 99.37,2279.97 100,2279.9 3579.29,2279.9 3579.98,2279.97

## Keep-outs
Keep-Out Layer:
  the board outline again, w11.81

## Other copper
L1:
  pour cut-out: 1480,575 1562,575 1568,569 1568,516 1573,511 1596,511 1607,522 1607,555 1615,563 1660,563 1665,568 1665,727 1658,734 1547,734 1531,718 1531,702 1523,694 1485,694 1465,674 1465,589
  pour cut-out: 609,675 609,745 631,767 634,770 634,865 620,879 402,879 384,861 384,748 475,748 475,677 522,633 522,597 532.5,586.5 562,586.5 562,625 576,642

## Silkscreen, mask and mechanical layers (free items; w line width, h text height)
Top Overlay:
  lines w5.91: 1179,336 1217,336 ; 1180,295 1218,295
  text "+12V" at 3696,1836 h30 r90
  text "+5V" at 3696,1714.27 h30 r90
  text "+3V3" at 3696,1562.54 h30 r90
  text "GND" at 3696,1440.81 h30 r90
  text "M-COM" at 3696,1260 h30 r90
  text "M-NO" at 3696,1124 h30 r90
  text "GND" at 3696,1002 h30 r90
  text "RLED" at 3696,849 h30 r90
  text "GLED" at 3696,702 h30 r90
  text "+3V3" at 3696,547 h30 r90
  text "SW" at 3696,455 h30 r90
  text "GND" at 3696,317 h30 r90
  text "RESET" at 1886,186 h40
  text "USER" at 946,166 h40
  text "GND" at 1184,24 h30
  text "RXD" at 1301,24 h30
  text "+3V3" at 1508,24 h30
  text "TXD" at 1408,23 h30
Bottom Overlay:
  text "NFC Reader Anas V1.0 Designed by Ahmed Elhady" at 3474,119.33 h40
Top Solder:
  drawing of 13 lines, arcs and shapes, not listed

## Text inside footprints (layer, text, board x,y; h text height)
J5: Top Overlay "1" at 815,158 h40 r270